# Altium PCB Fleet-Monitor_V1.0.PcbDoc (part 1 of 3) (continued)
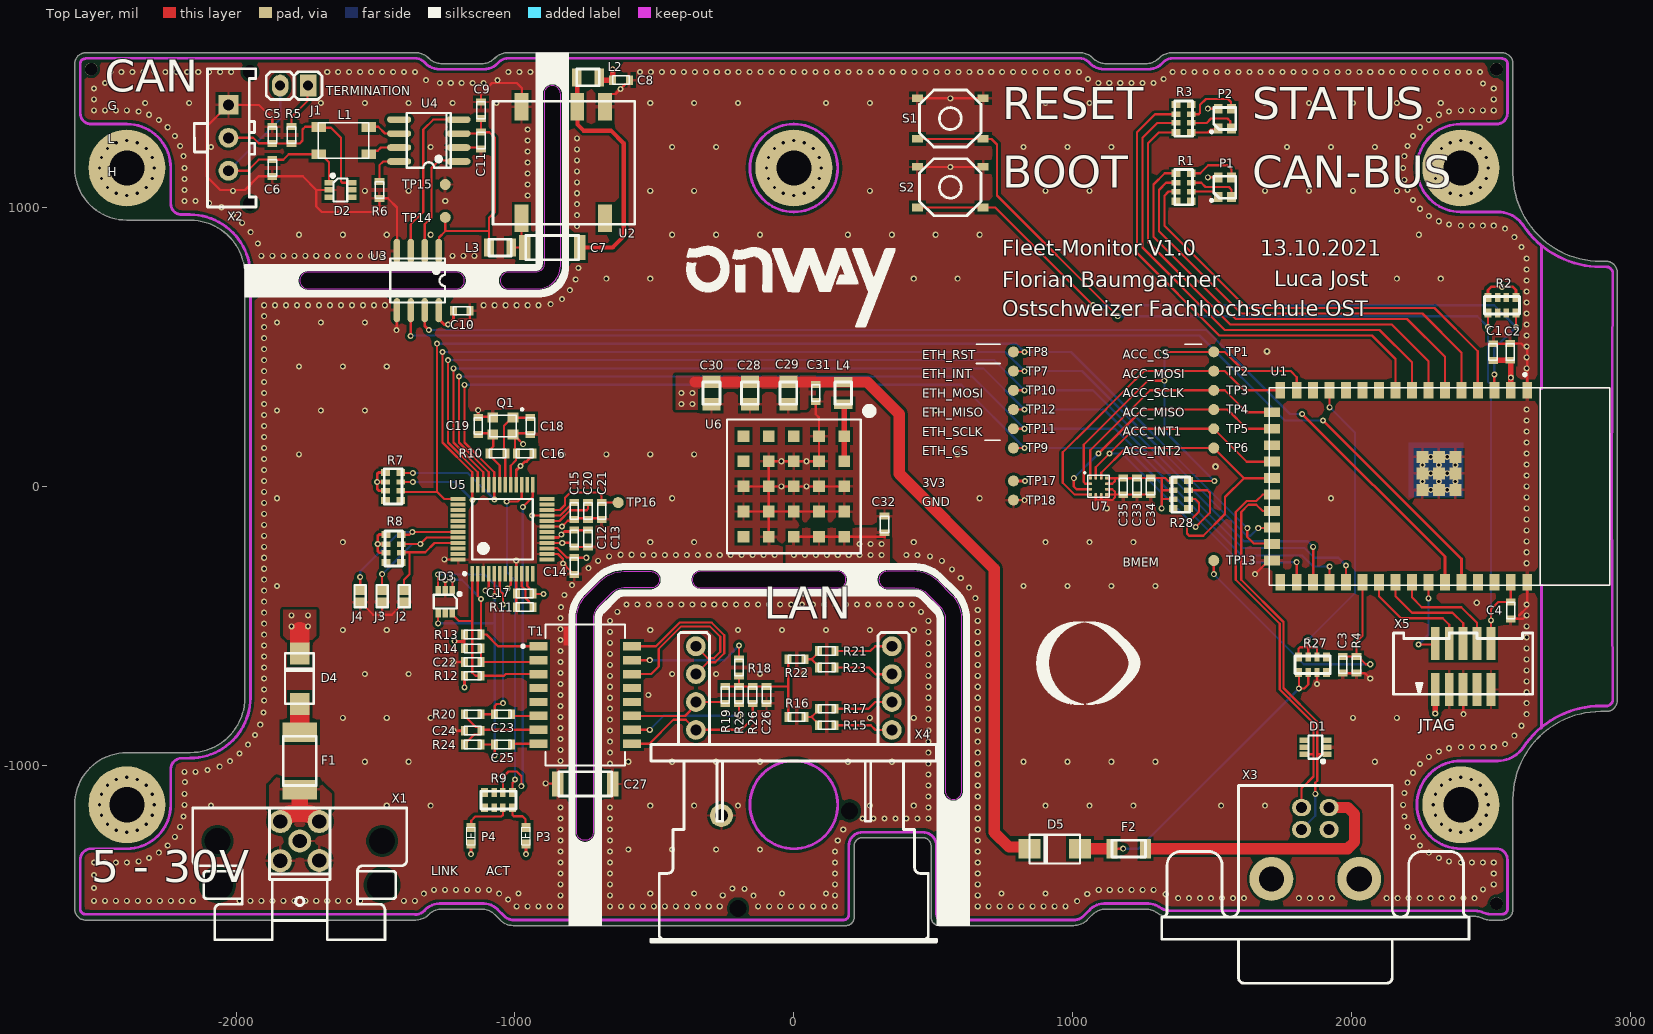
[diagram p0: Top Layer view]
## Components (designator, comment, footprint, x,y, rotation, side; value= is the part's Value field where it differs from the comment)
C1 "10µF" "SMD Keramikkondensator 0603" 2507.67,481.46 r270 top
C2 "100nF" "SMD Keramikkondensator 0603" 2568.9,482.28 r270 top
C3 "1µF" "SMD Keramikkondensator 0603" 1968.5,-639.76 r90 top
C4 "100nF" "SMD Keramikkondensator 0603" 2570.87,-444.88 r90 top
C5 "22pF" "SMD Keramikkondensator 0603" -1870.08,1259.84 r270 top
C6 "22pF" "SMD Keramikkondensator 0603" -1870.08,1141.73 r90 top
C7 "470pF" "SMD KERAMIKKONDENSATOR 1808" -866.14,856.3 r180 top
C8 "22µF" "SMD Keramikkondensator 0603" -620.08,1456.69 r180 top
C9 "22µF" "SMD Keramikkondensator 0603" -1122.05,1348.43 r270 top
C10 "100nF" "SMD Keramikkondensator 0603" -1190.94,629.92 r180 top
C11 "100nF" "SMD Keramikkondensator 0603" -1122.05,1240.16 r90 top
C12 "100nF" "SMD Keramikkondensator 0603" -787.4,-187.01 r90 top
C13 "100nF" "SMD Keramikkondensator 0603" -738.19,-187.01 r90 top
C14 "100nF" "SMD Keramikkondensator 0603" -787.4,-285.43 r90 top
C15 "100nF" "SMD Keramikkondensator 0603" -787.4,-88.58 r90 top
C16 "100nF" "SMD Keramikkondensator 0603" -964.57,118.11 r0 top
C17 "100nF" "SMD Keramikkondensator 0603" -964.57,-383.86 r0 top
C18 "22pF" "SMD Keramikkondensator 0603" -944.88,216.54 r270 top
C19 "22pF" "SMD Keramikkondensator 0603" -1131.89,216.54 r90 top
C20 "4.7µF" "SMD Keramikkondensator 0603" -738.19,-88.58 r90 top
C21 "10nF" "SMD Keramikkondensator 0603" -688.98,-88.58 r90 top
C22 "22nF" "SMD Keramikkondensator 0603" -1151.57,-629.92 r180 top
C23 "10nF" "SMD Keramikkondensator 0603" -1043.31,-816.93 r0 top
C24 "10nF" "SMD Keramikkondensator 0603" -1151.57,-875.98 r180 top
C25 "10nF" "SMD Keramikkondensator 0603" -1043.31,-925.2 r0 top
C26 "4.7nF" "SMD Keramikkondensator 0603" -98.43,-748.03 r90 top
C27 "1nF" "SMD KERAMIKKONDENSATOR 1808" -748.03,-1066.93 r0 top
C28 "10µF" "SMD Keramikkondensator 0805" -157.48,334.65 r90 top
C29 "10µF" "SMD Keramikkondensator 0805" -19.68,334.65 r90 top
C30 "10µF" "SMD Keramikkondensator 0805" -295.28,334.65 r90 top
C31 "100nF" "SMD Keramikkondensator 0603" 78.74,334.65 r90 top
C32 "10µF" "SMD Keramikkondensator 0603" 324.8,-136.22 r270 top
C33 "10µF" "SMD Keramikkondensator 0603" 1230.32,0 r90 top
C34 "100nF" "SMD Keramikkondensator 0603" 1279.53,0 r90 top
C35 "100nF" "SMD Keramikkondensator 0603" 1181.1,0 r90 top
D1 "PD4E1U06" "SMD IC SOT-363 (SC-70-6)" 1870.08,-935.04 r0 top
D2 "PD4E1U06" "SMD IC SOT-363 (SC-70-6)" -1625.98,1062.99 r180 top
D3 "PD4E1U06" "SMD IC SOT-363 (SC-70-6)" -1250,-413.39 r90 top
D4 "SS54" "SMD DIODE DO-214-AC" -1771.65,-688.98 r270 top
D5 "SS54" "SMD DIODE DO-214-AC" 935.04,-1299.21 r0 top
F1 "60V/300mA/600mA" "SMD PPTC-FUSE 1812" -1771.65,-984.25 r90 top
F2 "15V/500mA/1000mA" "SMD PPTC-Fuse 1206" 1200.79,-1299.21 r180 top
J1 "X-Jumper (2 Fach)" "THT  Jumper" -1842.13,1437.01 r180 top
J2 "X-Jumper (2 Fach)" "SMD Solder Jumper 1x2mm" -1397.64,-393.7 r90 top
J3 "X-Jumper (2 Fach)" "SMD Solder Jumper 1x2mm" -1476.38,-393.7 r90 top
J4 "X-Jumper (2 Fach)" "SMD Solder Jumper 1x2mm" -1555.12,-393.7 r90 top
L1 "ACT45B-510-2P-TL003" "SMD Common Mode Choke 4.5x3.2" -1614.17,1240.16 r180 top
L2 "4.7uH" "SMD INDUCTOR/FERRITE 0805" -738.19,1466.54 r180 top
L3 "4.7uH" "SMD INDUCTOR/FERRITE 0805" -1053.15,856.3 r180 top
L4 "2.2uH" "SMD INDUCTOR/FERRITE 0805" 177.17,334.65 r270 top
P1 "RGB LED" "SMD LED PLCC-4" 1545.28,1072.83 r90 top
P2 "RGB LED" "SMD LED PLCC-4" 1545.28,1318.9 r90 top
P3 "Yellow" "SMD LED 0603" -960.63,-1252.95 r90 top
P4 "Green" "SMD LED 0603" -1157.48,-1252.95 r90 top
Q1 "25MHz" "SMD Crystal 2520" -1043.31,216.54 r180 top
R1 "330" "SMD WIDERSTAND ARRAY 4-FACH 0603" 1397.64,1072.83 r270 top
R2 "10k" "SMD WIDERSTAND ARRAY 4-FACH 0603" 2539.37,649.61 r180 top
R3 "330" "SMD WIDERSTAND ARRAY 4-FACH 0603" 1397.64,1318.9 r270 top
R4 "1M" "SMD Widerstand 0603" 2017.72,-639.76 r270 top
R5 "120" "SMD Widerstand 0603" -1801.18,1259.84 r270 top
R6 "4.7k" "SMD Widerstand 0603" -1486.22,1062.99 r270 top
R7 "10k" "SMD WIDERSTAND ARRAY 4-FACH 0603" -1437.01,0 r270 top
R8 "10k" "SMD WIDERSTAND ARRAY 4-FACH 0603" -1435.04,-222.44 r270 top
R9 "330" "SMD WIDERSTAND ARRAY 4-FACH 0603" -1059.06,-1125 r180 top
R10 "1M" "SMD Widerstand 0603" -1062.99,118.11 r180 top
R11 "12.4k" "SMD Widerstand 0603" -964.57,-433.07 r0 top
R12 "49.9" "SMD Widerstand 0603" -1151.57,-679.13 r180 top
R13 "49.9" "SMD Widerstand 0603" -1151.57,-531.5 r180 top
R14 "10" "SMD Widerstand 0603" -1151.57,-580.71 r180 top
R15 "49.9" "SMD Widerstand 0603" 118.11,-856.3 r180 top
R16 "49.9" "SMD Widerstand 0603" 9.84,-826.77 r180 top
R17 "49.9" "SMD Widerstand 0603" 118.11,-797.24 r180 top
R18 "75" "SMD Widerstand 0603" -196.85,-649.61 r90 top
R19 "150" "SMD Widerstand 0603" -246.06,-748.03 r270 top
R20 "82" "SMD Widerstand 0603" -1151.57,-816.93 r0 top
R21 "49.9" "SMD Widerstand 0603" 118.11,-590.55 r180 top
R22 "49.9" "SMD Widerstand 0603" 9.84,-620.08 r180 top
R23 "49.9" "SMD Widerstand 0603" 118.11,-649.61 r180 top
R24 "82" "SMD Widerstand 0603" -1151.57,-925.2 r180 top
R25 "75" "SMD Widerstand 0603" -196.85,-748.03 r90 top
R26 "150" "SMD Widerstand 0603" -147.64,-748.03 r90 top
R27 "10k" "SMD WIDERSTAND ARRAY 4-FACH 0603" 1860.24,-639.76 r0 top
R28 "10k" "SMD WIDERSTAND ARRAY 4-FACH 0603" 1387.8,-29.53 r270 top
S1 "SMD-Button" "SMD BUTTON 5.2X5.2" 561.02,1318.9 r180 top
S2 "SMD-Button" "SMD BUTTON 5.2X5.2" 561.02,1072.83 r180 top
T1 "HR601680" "SMD TRANSFORMER 500X375" -748.03,-748.03 r270 top
TP1 "X-TP" "SMD Testpunkt Ø1mm" 1505.91,482.28 r90 top
TP2 "X-TP" "SMD Testpunkt Ø1mm" 1505.9,413.39 r90 top
TP3 "X-TP" "SMD Testpunkt Ø1mm" 1505.91,344.49 r90 top
TP4 "X-TP" "SMD Testpunkt Ø1mm" 1505.91,275.59 r90 top
TP5 "X-TP" "SMD Testpunkt Ø1mm" 1505.91,206.69 r90 top
TP6 "X-TP" "SMD Testpunkt Ø1mm" 1505.91,137.8 r90 top
TP7 "X-TP" "SMD Testpunkt Ø1mm" 787.4,413.39 r90 top
TP8 "X-TP" "SMD Testpunkt Ø1mm" 787.4,482.28 r90 top
TP9 "X-TP" "SMD Testpunkt Ø1mm" 787.4,137.8 r90 top
TP10 "X-TP" "SMD Testpunkt Ø1mm" 787.4,344.49 r90 top
TP11 "X-TP" "SMD Testpunkt Ø1mm" 787.4,206.69 r90 top
TP12 "X-TP" "SMD Testpunkt Ø1mm" 787.4,275.59 r180 top
TP13 "X-TP" "SMD Testpunkt Ø1mm" 1505.91,-265.75 r0 top
TP14 "X-TP" "SMD Testpunkt Ø1mm" -1250,964.57 r90 top
TP15 "X-TP" "SMD Testpunkt Ø1mm" -1250,1082.68 r90 top
TP16 "X-TP" "SMD Testpunkt Ø1mm" -630,-58 r0 top
TP17 "X-TP" "SMD Testpunkt Ø1mm" 787.4,19.68 r90 top
TP18 "X-TP" "SMD Testpunkt Ø1mm" 787.4,-49.21 r90 top
U1 "ESP32-S2-WROOM" "SMD ESP32-S2-WROOM" 2314.96,0 r180 top locked
U2 "R1SX-3.305/H-R" "SMD DCDC R1SX" -826.77,1161.42 r180 top
U3 "ISO7221BDR" "SMD IC SOIC-8" -1348.43,738.19 r180 top
U4 "MCP2551T-I/SN" "SMD IC SOIC-8" -1309.06,1240.16 r90 top
U5 "W5500" "SMD IC LQFP-48" -1044.69,-153.46 r0 top
U6 "RPMB3.3-2.0" "SMD DCDC RPM 2.0" 0,0 r270 top
U7 "LIS2DH12TR" "SMD IC LGA-12" 1092.52,0 r0 top
X1 "T4145015021-001" "THT CONNECTOR M12" -1771.65,-1271.65 r180 top locked
X2 "Pin Header Through Hole Wire To Board" "THT Connector 0436500315" -2027.56,1250 r90 top
X3 "Type-B" "THT CONNECTOR MUSBD111M5" 1870.08,-1535.43 r180 top locked
X4 "NE8FDH-C5E-TOP" "THT CONNECTOR NE8FDH-C5E-TOP" 0,-1633.86 r180 top locked
X5 "JTAG-Header (ARM-Cortex)" "SMD Connector 1.27mm (2x5)" 2400,-645.67 r0 top

## Footprints (in the part's own frame and the unit in brackets; to place one, negate y for a bottom-side part, rotate by r counter-clockwise, add the part's x,y. Pads: shape width x height; smd on the part's side, far side on the other; paste and mask are expansions set on the pad)
"SMD BUTTON 5.2X5.2" [mm]
  rect 1x0.7 smd: 1(-3,1.85) 1(3,1.85) 2(-3,-1.85) 2(3,-1.85)
  silkscreen extent -2.8,-2.6 2.8,2.6, body extent -3.2,-2.55 3.2,2.55, height 1.5
"SMD Common Mode Choke 4.5x3.2" [mm]
  rect 1.35x0.9 smd: 1(-2.275,-1.25) 2(2.275,-1.25) 3(2.275,1.25) 4(-2.275,1.25)
  silkscreen extent -2.3,-1.6 2.3,1.6, body extent -2.25,-1.6 2.25,1.6, height 3
"SMD Connector 1.27mm (2x5)" [mm]
  rect 0.8x3 smd mask+0.051: 1(-2.54,-2.1) 2(-2.54,2.1) 3(-1.27,-2.1) 4(-1.27,2.1) 5(0,-2.1) 6(0,2.1) 7(1.27,-2.1) 8(1.27,2.1) 9(2.54,-2.1) 10(2.54,2.1)
  silkscreen extent -6.35,-2.54 6.35,3.05, body extent -6.35,-3.05 6.35,3.05, height 5.45
"SMD Crystal 2520" [mm]
  rect 1x0.9 smd: 1(-0.925,-0.787) 2(0.925,0.788) 3(-0.925,0.788) 3(0.925,-0.787)
  silkscreen extent -1.85,-1.61 1.2,1, body extent -1.25,-1 1.25,1, height 0.7
"SMD DCDC R1SX" [mil]
  rect 50x100 smd: 1(-150,-200) 2(-50,-200) 4(150,-200) 5(150,200) 8(-150,200)
  silkscreen extent -256,-220 252,221, body extent -253,-220 253,220, height 232
"SMD DCDC RPM 2.0" [mm]
  rect 1.06x1.06 smd: A1(-4.58,4.58) A2(-2.29,4.58) A3(0,4.58) A4(2.29,4.58) A5(4.58,4.58) B1(-4.58,2.29) B2(-2.29,2.29) B3(0,2.29) B4(2.29,2.29) B5(4.58,2.29) C1(-4.58,0) C2(-2.29,0) C3(0,0) C4(2.29,0) C5(4.58,0) D1(-4.58,-2.29) D2(-2.29,-2.29) D3(0,-2.29) D4(2.29,-2.29) D5(4.58,-2.29) E1(-4.58,-4.58) E2(-2.29,-4.58) E3(0,-4.58) E4(2.29,-4.58) E5(4.58,-4.58)
  silkscreen extent -7.12,-6.09 6.1,7.12, body extent -6.34,-6.19 6.35,6.19, height 3.95
"SMD DIODE DO-214-AC" [mm] "SM LED; 2 Flat Leads"
  rect 2x1.8 smd: A(2.3,0) K(-2.3,0)
  silkscreen extent -2.3,-1.36 2.3,1.27, body extent -2.8,-1.47 2.8,1.48, height 2.7
"SMD ESP32-S2-WROOM" [mm]
  rect 0.9x1.5 smd: 1(-8,-8.75) 2(-6.5,-8.75) 3(-5,-8.75) 4(-3.5,-8.75) 5(-2,-8.75) 6(-0.5,-8.75) 7(1,-8.75) 8(2.5,-8.75) 9(4,-8.75) 10(5.5,-8.75) 11(7,-8.75) 12(8.5,-8.75) 13(10,-8.75) 14(11.5,-8.75) 15(13,-8.75) 16(14.5,-8.75) 27(14.5,8.75) 28(13,8.75) 29(11.5,8.75) 30(10,8.75) 31(8.5,8.75) 32(7,8.75) 33(5.5,8.75) 34(4,8.75) 35(2.5,8.75) 36(1,8.75) 37(-0.5,8.75) 38(-2,8.75) 39(-3.5,8.75) 40(-5,8.75) 41(-6.5,8.75) 42(-8,8.75)
  rect 1.5x0.9 smd: 17(15.25,-6.75) 18(15.25,-5.25) 19(15.25,-3.75) 20(15.25,-2.25) 21(15.25,-0.75) 22(15.25,0.75) 23(15.25,2.25) 24(15.25,3.75) 25(15.25,5.25) 26(15.25,6.75)
  round 0.55 hole 0.3 mask+0.102: 43(-1.45,-0.44) 43(-1.45,-1.94) 43(-0.7,0.31) 43(-0.7,-1.19) 43(-0.7,-2.69) 43(0.05,-0.44) 43(0.05,-1.94) 43(0.8,0.31) 43(0.8,-1.19) 43(0.8,-2.69) 43(1.55,-0.44) 43(1.55,-1.94)
  rect 1.1x1.1 smd: 43(-1.45,0.31) 43(-1.45,-1.19) 43(-1.45,-2.69) 43(0.05,0.31) 43(0.05,-1.19) 43(0.05,-2.69) 43(1.55,0.31) 43(1.55,-1.19) 43(1.55,-2.69)
  Keep-Out Layer region: -9.2,9 -9.2,-9 -15.5,-9 -15.5,9
  Keep-Out Layer region: -9.2,9 -9.2,-9 -15.5,-9 -15.5,9
  Keep-Out Layer region: -9.2,9 -9.2,-9 -15.5,-9 -15.5,9
  silkscreen extent -15.5,-10.28 15.5,9, body extent -15.45,-9 15.55,9, height 3.3
"SMD IC LGA-12" [mm]
  rect 0.275x0.275 smd: 1(-0.75,0.75) 4(-0.75,-0.75) 7(0.75,-0.75) 10(0.75,0.75)
  rect 0.275x0.25 smd: 2(-0.75,0.25) 3(-0.75,-0.25) 8(0.75,-0.25) 9(0.75,0.25)
  rect 0.25x0.275 smd: 5(-0.25,-0.75) 6(0.25,-0.75) 11(0.25,0.75) 12(-0.25,0.75)
  silkscreen extent -1.27,-1 1,1.27, body extent -1,-1 1,1, height 0.95
"SMD IC LQFP-48" [mm]
  rect 0.35x1.4 smd: 1(-2.75,-4.05) 2(-2.25,-4.05) 3(-1.75,-4.05) 4(-1.25,-4.05) 5(-0.75,-4.05) 6(-0.25,-4.05) 7(0.25,-4.05) 8(0.75,-4.05) 9(1.25,-4.05) 10(1.75,-4.05) 11(2.25,-4.05) 12(2.75,-4.05) 25(2.75,4.05) 26(2.25,4.05) 27(1.75,4.05) 28(1.25,4.05) 29(0.75,4.05) 30(0.25,4.05) 31(-0.25,4.05) 32(-0.75,4.05) 33(-1.25,4.05) 34(-1.75,4.05) 35(-2.25,4.05) 36(-2.75,4.05)
  rect 1.4x0.35 smd: 13(4.05,-2.75) 14(4.05,-2.25) 15(4.05,-1.75) 16(4.05,-1.25) 17(4.05,-0.75) 18(4.05,-0.25) 19(4.05,0.25) 20(4.05,0.75) 21(4.05,1.25) 22(4.05,1.75) 23(4.05,2.25) 24(4.05,2.75) 37(-4.05,2.75) 38(-4.05,2.25) 39(-4.05,1.75) 40(-4.05,1.25) 41(-4.05,0.75) 42(-4.05,0.25) 43(-4.05,-0.25) 44(-4.05,-0.75) 45(-4.05,-1.25) 46(-4.05,-1.75) 47(-4.05,-2.25) 48(-4.05,-2.75)
  silkscreen extent -3.57,-4.17 2.75,2.75, body extent -4.5,-4.5 4.5,4.5, height 1.6
"SMD IC SOIC-8" [mm]
  oval 0.6x2.2 smd: 1(-1.905,-2.7) 2(-0.635,-2.7) 3(0.635,-2.7) 4(1.905,-2.7) 5(1.905,2.7) 6(0.635,2.7) 7(-0.635,2.7) 8(-1.905,2.7)
  silkscreen extent -2.48,-2 2.52,2, body extent -2.48,-3.12 2.52,3.12, height 1.75
"SMD IC SOT-363 (SC-70-6)" [mm]
  rect 0.8x0.5 smd: 1(1.05,-0.65) 2(1.05,0) 3(1.05,0.65) 4(-1.05,0.65) 5(-1.05,0) 6(-1.05,-0.65)
  silkscreen extent -0.63,-1.4 0.8,1.05, body extent -1.05,-1 1.05,1, height 0.92
"SMD INDUCTOR/FERRITE 0805" [mil]
  rect 35x65 smd: 1(-40,0) 2(40,0)
  silkscreen extent -40,-30 40,30, body extent -39,-24 39,24, height 37
"SMD Keramikkondensator 0603" [mil]
  rect 25x35 smd: 1(-30,0) 2(30,0)
  silkscreen extent -30,-15 30,15, body extent -31,-16 32,16, height 32
"SMD Keramikkondensator 0805" [mil]
  rect 45x65 smd: 1(-40,0) 2(40,0)
  silkscreen extent -40,-30 40,30, body extent -39,-25 39,25, height 31
"SMD KERAMIKKONDENSATOR 1808" [mm]
  rect 1.05x2.3 smd: 1(-2.5,0) 2(2.5,0)
  silkscreen extent -2.41,-1.1 2.41,1.1, body extent -2.25,-1 2.25,1, height 1.26
"SMD LED 0603" [mm] "SMD_LED_RED"
  rect 0.8x0.8 smd: A(-0.75,0) K(0.75,0)
  silkscreen extent -0.8,-0.4 0.8,0.4, body extent -0.81,-0.37 0.84,0.36, height 0.68
"SMD LED PLCC-4" [mm] "SMD_LED_RED"
  rect 0.9x0.8 smd: 1(-0.9,0.6) 2(-0.9,-0.6) 3(0.9,-0.6) 4(0.9,0.6)
  silkscreen extent -1.3,-1 1,1.3, body extent -1,-1 1,1, height 0.91
"SMD PPTC-Fuse 1206" [mil]
  rect 40x70 smd: 1(-60,0) 2(60,0)
  silkscreen extent -60,-30 60,30, body extent -63,-33 63,33, height 22
"SMD PPTC-FUSE 1812" [mm]
  rect 1.78x3.15 smd: 1(-2.615,0) 2(2.615,0)
  silkscreen extent -2.25,-1.5 2.25,1.5, body extent -2.25,-1.6 2.25,1.6, height 0.55
"SMD Solder Jumper 1x2mm" [mm] "SOT-223/SC-73; 4 Leads; Body 6.7 x 7.3 mm, inc. leads (LxW max)"
  rect 0.9x0.9 smd: 1(-0.559,0) 2(0.559,0)
  silkscreen extent -1.02,-0.51 1.02,0.51
"SMD Testpunkt Ø1mm" [mm]
  round 1 smd: 1(0,0)
"SMD TRANSFORMER 500X375" [mm]
  rect 0.76x1.65 smd: 1(-4.445,-4.255) 2(-3.175,-4.255) 3(-1.905,-4.255) 4(-0.635,-4.255) 5(0.635,-4.255) 6(1.905,-4.255) 7(3.175,-4.255) 8(4.445,-4.255) 9(4.445,4.255) 10(3.175,4.255) 11(1.905,4.255) 12(0.635,4.255) 13(-0.635,4.255) 14(-1.905,4.255) 15(-3.175,4.255) 16(-4.445,4.255)
  silkscreen extent -6.41,-5.79 6.42,3.62, body extent -6.52,-5.18 6.52,5.18, height 0.25
"SMD Widerstand 0603" [mil]
  rect 25x35 smd: 1(-30,0) 2(30,0)
  silkscreen extent -30,-15 30,15, body extent -31,-16 31,16, height 18
"SMD WIDERSTAND ARRAY 4-FACH 0603" [mm]
  rect 0.65x0.8 smd: 1(-1.275,-0.7) 4(1.275,-0.7) 5(1.275,0.7) 8(-1.275,0.7)
  rect 0.5x0.8 smd: 2(-0.4,-0.7) 3(0.4,-0.7) 6(0.4,0.7) 7(-0.4,0.7)
  silkscreen extent -1.6,-0.8 1.6,0.8, body extent -1.6,-0.8 1.6,0.8, height 0.51
"THT  Jumper" [mm]
  rect 1.5x2 hole 0.9: 1(-2.54,0)
  oval 1.5x2 hole 0.9: 2(0,0)
  silkscreen extent -3.81,-1.27 1.27,1.27, body extent -3.81,-1.27 1.27,1.27, height 8.72
"THT Connector 0436500315" [mm]
  rect 1.8x1.8 hole 1: 1(3,0)
  round 1.8 hole 1: 2(0,0) 3(-3,0)
  round 0 hole 1.27 unplated: NC(-6,-1.96) NC(6,-1.96)
  silkscreen extent -6.3,-2.5 6.29,3.11, body extent -6.32,-2.47 6.33,3.14, height 9.95
"THT CONNECTOR M12" [mm]
  round 2.1 hole 1.3: 1(1.77,-1.77) 2(-1.77,-1.77) 3(-1.765,1.779) 4(1.775,1.794) 5(0,0)
  round 0 hole 2.35 unplated: NC(-7.5,0) NC(7.5,0)
  round 0 hole 2.8 unplated: NC(-7.5,4) NC(7.5,4)
  silkscreen extent -9.75,-3 9.75,9, body extent -9.75,-3 9.75,23, height 16
"THT CONNECTOR MUSBD111M5" [mm]
  oval 1.75x1.55 hole 1: 1(-1.25,-9.74) 2(1.25,-9.74) 3(1.25,-7.74) 4(-1.25,-7.74)
  round 4 hole 2.3: NC(-4,-3.25) NC(4,-3.25)
  silkscreen extent -14,-11.75 14,6.25, body extent -18,-11.75 14,8.5, height 15.51
"THT CONNECTOR NE8FDH-C5E-TOP" [mm]
  round 1.8 hole 1: 1(8.925,-24.4) 2(8.925,-26.94) 3(8.925,-21.86) 4(-8.925,-19.32) 5(-8.925,-21.86) 6(8.925,-19.32) 7(-8.925,-26.94) 8(-8.925,-24.4)
  round 2.1 hole 1.2: 9(6.595,-11.52)
  round 0 hole 1.55 unplated: NC(-5.08,-11.955) NC(5.08,-3.06)
  silkscreen extent -13,-28.19 13,0, body extent -13,-28.21 13,12.5, height 30.1

## Part data
C1 C32 C33: library part "E6 - 10uF", "SMD Ceramic Capacitor E6", Component Value="10µF 10V", JLC-Parts=C19702, Component Description="Multilayer Ceramic Capacitors MLCC", ComponentLink1Description=Datasheet, ComponentLink1URL=https://datasheet.lcsc.com/lcsc/1810191219_Samsung-Electro-Mechanics-CL10A106KP8NNNC_C19702.pdf, Digikey=587-3258-1-ND, Farnell=2113070, Mouser=963-LMK107BBJ106MALT, Unit Price=0.01
C2 C4 C10 C11 C12 C13 C14 C15 C16 C17 C31 C34 C35: library part "E6 - 100nF", "SMD Ceramic Capacitor E6", Component Value="100nF 50V", JLC-Parts=C14663, Component Description="Multilayer Ceramic Capacitors MLCC", ComponentLink1Description=Datasheet, ComponentLink1URL=https://datasheet.lcsc.com/lcsc/1809301912_YAGEO-CC0603KRX7R9BB104_C14663.pdf, Digikey=445-6899-1-ND, Farnell=2210822, Mouser=810-CGA2B3X7R1H104K, Unit Price=0.01
C3: library part "E6 - 1uF", "SMD Ceramic Capacitor E6", Component Value="1µF 50V", JLC-Parts=C15849, Component Description="Multilayer Ceramic Capacitors MLCC", ComponentLink1Description=Datasheet, ComponentLink1URL=https://datasheet.lcsc.com/lcsc/1810261812_Samsung-Electro-Mechanics-CL10A105KB8NNNC_C15849.pdf, Digikey=1276-1860-1-ND, Farnell=3013383, Mouser=187-CL10A105KB8NNNC, Unit Price=0.01
C5 C6 C18 C19: library part "E6 - 22pF", "SMD Ceramic Capacitor E6", Component Value="22pF 50V", JLC-Parts=C1653, Component Description="Multilayer Ceramic Capacitors MLCC", ComponentLink1Description=Datasheet, ComponentLink1URL=https://datasheet.lcsc.com/lcsc/1810121815_Samsung-Electro-Mechanics-CL10C220JB8NNNC_C1653.pdf, Digikey=1276-1023-1-ND, Farnell=2332643, Mouser=187-CL10C220JB8NNNC, Unit Price=0.01
C7: library part "E6 - 470pF", "SMD Ceramic Capacitor E6", Component Value="470pF 3kV", JLC-Parts=C106130, Component Description="Multilayer Ceramic Capacitors MLCC", ComponentLink1Description=Datasheet, ComponentLink1URL=https://datasheet.lcsc.com/lcsc/1810201242_IHHEC-HOLY-STONE-ENTERPRISE-CO.,-LTD-C1808X471K302T_C106130.pdf, Digikey=732-12100-1-ND, Farnell=2812607, Mouser=710-885342210003, Unit Price=0.11
C8 C9: library part "E6 - 22uF", "SMD Ceramic Capacitor E6", Component Value="22µF 25V", JLC-Parts=C45783, Component Description="Multilayer Ceramic Capacitors MLCC", ComponentLink1Description=Datasheet, ComponentLink1URL=https://datasheet.lcsc.com/lcsc/1811151152_Samsung-Electro-Mechanics-CL21A226MAQNNNE_C45783.pdf, Digikey=1276-2908-1-ND, Farnell=3013459, Mouser=187-CL21A226MAQNNNE, Unit Price=0.04
C20: library part "E6 - 4.7uF", "SMD Ceramic Capacitor E6", Component Value="4.7µF 16V", JLC-Parts=C19666, Component Description="Multilayer Ceramic Capacitors MLCC", ComponentLink1Description=Datasheet, ComponentLink1URL=https://datasheet.lcsc.com/lcsc/1810261514_Samsung-Electro-Mechanics-CL10A475KO8NNNC_C19666.pdf, Digikey=1276-1784-1-ND, Farnell=3013397, Mouser=187-CL10A475KO8NNNC, Unit Price=0.01
C21 C23 C24 C25: library part "E6 - 10nF", "SMD Ceramic Capacitor E6", Component Value="10nF 50V", JLC-Parts=C57112, Component Description="Multilayer Ceramic Capacitors MLCC", ComponentLink1Description=Datasheet, ComponentLink1URL=https://datasheet.lcsc.com/lcsc/2102081402_FH-Guangdong-Fenghua-Advanced-Tech-0603B103K500NT_C57112.pdf, Digikey=478-3700-1-ND, Farnell=1833876, Mouser=581-06031C103J, Unit Price=0.01
C22: library part "E6 - 22nF", "SMD Ceramic Capacitor E6", Component Value="22nF 50V", JLC-Parts=C21122, Component Description="Multilayer Ceramic Capacitors MLCC", ComponentLink1Description=Datasheet, ComponentLink1URL=https://datasheet.lcsc.com/lcsc/1811101610_Samsung-Electro-Mechanics-CL10B223KB8NNNC_C21122.pdf, Digikey=1276-1104-1-ND, Farnell=3013425, Mouser=187-CL10B223KB8NNNC, Unit Price=0.01
C26: library part "E6 - 4.7nF", "SMD Ceramic Capacitor E6", Component Value="4.7nF 50V", JLC-Parts=C53987, Component Description="Multilayer Ceramic Capacitors MLCC", ComponentLink1Description=Datasheet, ComponentLink1URL=https://datasheet.lcsc.com/lcsc/1811061811_FH-Guangdong-Fenghua-Advanced-Tech-0603B472K500NT_C53987.pdf, Digikey=478-10355-1-ND, Farnell=2332650, Mouser=581-06035C472JAT2A, Unit Price=0.01
C27: library part "E6 - 1nF", "SMD Ceramic Capacitor E6", Component Value="1nF 3kV", JLC-Parts=C173224, Component Description="Multilayer Ceramic Capacitors MLCC", ComponentLink1Description=Datasheet, ComponentLink1URL=https://datasheet.lcsc.com/lcsc/1912111437_Johanson-Dielectrics-302R29W102KV4E_C173224.pdf, Digikey=709-1047-1-ND, Farnell=1886070, Mouser=605-302R29W102KV4E, Unit Price=0.06
C28 C29 C30: library part "E6 - 10uF", "SMD Ceramic Capacitor E6", Component Value="10µF 50V", JLC-Parts=C440198, Component Description="Multilayer Ceramic Capacitors MLCC", ComponentLink1Description=Datasheet, ComponentLink1URL=https://datasheet.lcsc.com/lcsc/2004251506_Murata-Electronics-GRM21BR61H106KE43L_C440198.pdf, Digikey=490-18663-1-ND, Farnell=3790440, Mouser=81-GRM21BR61H106KE3L, Unit Price=0.13
D1 D2 D3: library part PD4E1U06DCKR, "Unidirectional 3A (8/20us) 15V (Typ) 6.5V 5.5V (Max) SOT-363 ESD Protection Devices ROHS", JLC-Parts=C194628, Component Description="ESD Suppressor", Component Value=PD4E1U06, ComponentLink1Description=Datasheet, ComponentLink1URL=https://datasheet.lcsc.com/lcsc/1810172210_Texas-Instruments-TPD4E1U06DCKR_C194628.pdf, Digikey=296-39347-1-ND, Farnell=3116516, Mouser=595-TPD4E1U06DCKR, Unit Price=0.12
D4 D5: "40V 5A 550mV @ 5A SMA(DO-214AC) Schottky Barrier Diodes (SBD) ROHS", JLC-Parts=C22452, Component Description="Schottky Barrier Diode", Component Value=SS54, ComponentLink1Description=Datasheet, ComponentLink1URL=https://datasheet.lcsc.com/lcsc/1810192041_MDD%EF%BC%88Microdiode-Electronics%EF%BC%89-SS54_C22452.pdf, Digikey=641-SS54-HFCT-ND, Farnell=1861427, Mouser=750-SS54-HF, Unit Price=0.10
F1: library part JK-nSMD010, "60V 250mA 1s 1206 Resettable Fuses", Component Value=60V/300mA/600mA/100ms, JLC-Parts=C117855, Component Description="PTC Resettable Fuse", ComponentLink1Description=Datasheet, ComponentLink1URL=https://datasheet.lcsc.com/lcsc/1809211319_RUILON-Shenzhen-Ruilongyuan-Elec-SMD1812P030TF-60V_C117855.pdf, Digikey=F8131CT-ND, Farnell=1961501, Mouser=576-1812L035/60MR, Unit Price=0.07
F2: library part nSMD020-30V, "30V 460mA 1206 Resettable Fuses", Component Value=15V/500mA/1000mA/100ms, JLC-Parts=C315893, Component Description="PTC Resettable Fuse", ComponentLink1Description=Datasheet, ComponentLink1URL=https://datasheet.lcsc.com/lcsc/1912111437_Littelfuse-1206L050-15YR-A_C315893.pdf, Digikey=F3733CT-ND, Farnell=2752736, Mouser=576-1206L050/15YR, Unit Price=0.23
J1: Component Value=2-Pol, JLC-Parts=C358684, Component Description="Through Hole Jumper", ComponentLink1Description=Datasheet, ComponentLink1URL=https://datasheet.lcsc.com/lcsc/1912111437_PINREX-210-91-02GB01_C390678.pdf, Digikey=WM50016-02-ND, Farnell=2668454, Mouser=538-22-28-4023, Unit Price=0.01
J2 J3 J4: Component Value=2-Pol, Component Description="Solder Jumper", Unit Price=0.00
L1: "51uH @ 100kHz 2.8kΩ @ 10MHz 50V 1Ω Signal Line 4532 Common Mode Filters ROHS", Component Value=ACT45B-101-2P-TL003, JLC-Parts=C88056, Component Description="Common Mode Filter", ComponentLink1Description=Datasheet, ComponentLink1URL=https://datasheet.lcsc.com/lcsc/1811151538_TDK-ACT45B-101-2P-TL003_C88056.pdf, Digikey=445-3959-1-ND, Farnell=3407556, Mouser=810-ACT45B1012PTL003, Unit Price=0.56
L2 L3: library part MLP2012V4R7MT0S1, "0805 Inductor 4.7uH", JLC-Parts=C86094, Component Description="Power Inductor", Component Value=4.7uH, ComponentLink1Description=Datasheet, ComponentLink1URL=https://datasheet.lcsc.com/lcsc/1810241416_Murata-Electronics-LQM2MPN4R7MG0L_C86094.pdf, Digikey=490-12073-1-ND, Farnell=2840129, Mouser=81-LQM2MPN4R7MG0L, Unit Price=0.09
L4: library part TFM201610GHM-2R2MTAA, "Ferrite Bead 2.2uH 2.6A / 142mOhm", JLC-Parts=C136243, Component Description="Power Inductor", Component Value=2.2uH, ComponentLink1Description=Datasheet, ComponentLink1URL=https://datasheet.lcsc.com/lcsc/1810061613_TDK-TFM201610GHM-2R2MTAA_C136243.pdf, Digikey=445-173104-1-ND, Farnell=2470314, Mouser=810-TFM201610GHM2R2A, Unit Price=0.13
P1 P2: Component Value=67-23/R6GHBHC-B01/2T, JLC-Parts=C264607, Component Description="RGB LED", ComponentLink1Description=Datasheet, ComponentLink1URL=https://datasheet.lcsc.com/lcsc/2104061938_Everlight-Elec-67-23-R6GHBHC-B01-2T_C264607.pdf, Digikey=VAOS-SP4RGB4CT-ND, Mouser=593-VAOS-SP4RGB4, Unit Price=0.19
P3: library part "LED Yellow 0603", "General Purpose LED", Component Value="Yellow (5mA, 2.0V)", JLC-Parts=C72038, Component Description="General Purpose LED", ComponentLink1Description=Datasheet, ComponentLink1URL=https://datasheet.lcsc.com/szlcsc/Everlight-Elec-19-217-GHC-YR1S2-3T_C72043.pdf, Digikey=350-2032-1-ND, Farnell=1465989, Mouser=645-598-8040-107F, Unit Price=0.34
P4: library part "LED Green 0603", "General Purpose LED", Component Value="Green (5mA, 2.4V)", JLC-Parts=C72043, Component Description="General Purpose LED", ComponentLink1Description=Datasheet, ComponentLink1URL=https://datasheet.lcsc.com/szlcsc/Everlight-Elec-19-217-GHC-YR1S2-3T_C72043.pdf, Digikey=350-2035-1-ND, Farnell=1465991, Mouser=645-598-8070-107F, Unit Price=0.34
Q1: library part "Crystal 25MHz 7E25000E20UCG", "SMD Crystal Resonators 25MHz 10ppm -40℃~85℃", JLC-Parts=C252264, Component Description=Crystal, Component Value=25MHz, ComponentLink1Description=Datasheet, ComponentLink1URL=https://datasheet.lcsc.com/lcsc/1810170940_SJK-SHENZHEN-CRYSTAL-TECH-7E25000E20UCG_C252264.pdf, Digikey=XC3050CT-ND, Farnell=3649710, Mouser=520-250-10-36B-CTNT, Unit Price=0.14
R1 R3 R9: library part "R-Array Single Quad E24 - 330", "Isolated Resistor Array", Component Value="330 (4x, 50V, 62.5mW, 5%)", JLC-Parts=C12018, Component Description="Isolated Resistor Array", ComponentLink1Description=Datasheet, ComponentLink1URL=https://datasheet.lcsc.com/lcsc/1810170717_UNI-ROYAL-Uniroyal-Elec-4D03WGJ0331T5E_C12018.pdf, Digikey=Y4331CT-ND, Farnell=2060160, Mouser=667-EXB-V8V331JV, Unit Price=0.01
R2 R7 R8 R27 R28: library part "R-Array Single Quad E24 - 10k", "Isolated Resistor Array", Component Value="10k (4x, 50V, 62.5mW, 5%)", JLC-Parts=C29718, Component Description="Isolated Resistor Array", ComponentLink1Description=Datasheet, ComponentLink1URL=https://datasheet.lcsc.com/lcsc/1810191515_UNI-ROYAL-Uniroyal-Elec-4D03WGJ0103T5E_C29718.pdf, Digikey=Y4103CT-ND, Farnell=2060167, Mouser=667-EXB-V8V103JV, Unit Price=0.01
R4 R10: library part "E96 - 1M", "SMD Chip Resistor E24", Component Value="1M (75V, 100mW, 1%)", JLC-Parts=C22935, Component Description="Chip Resistor", ComponentLink1Description=Datasheet, ComponentLink1URL=https://datasheet.lcsc.com/lcsc/1810200710_UNI-ROYAL-Uniroyal-Elec-0603WAF4701T5E_C23162.pdf, Digikey=P1.00MHCT-ND, Farnell=2303325, Mouser=667-ERJ-3EKF1004V, Unit Price=0.01
R5: library part "E24 - 120", "SMD Chip Resistor E24", Component Value="120 (75V, 100mW, 1%)", JLC-Parts=C22787, Component Description="Chip Resistor", ComponentLink1Description=Datasheet, ComponentLink1URL=https://datasheet.lcsc.com/lcsc/1810200710_UNI-ROYAL-Uniroyal-Elec-0603WAF4701T5E_C23162.pdf, Digikey=P120HCT-ND, Farnell=2303067, Mouser=667-ERJ-3EKF1200V, Unit Price=0.01
R6: library part "E24 - 4.7k", "SMD Chip Resistor E24", Component Value="4.7k (75V, 100mW, 1%)", JLC-Parts=C23162, Component Description="Chip Resistor", ComponentLink1Description=Datasheet, ComponentLink1URL=https://datasheet.lcsc.com/lcsc/1810200710_UNI-ROYAL-Uniroyal-Elec-0603WAF4701T5E_C23162.pdf, Digikey=P4.70KHCT-ND, Farnell=2303181, Mouser=667-ERJ-3EKF4701V, Unit Price=0.01
R11: library part "E96 - 12.4k", "SMD Chip Resistor E96", Component Value="12.4k (75V, 100mW, 1%)", JLC-Parts=C194071, Component Description="Chip Resistor", ComponentLink1Description=Datasheet, ComponentLink1URL=https://datasheet.lcsc.com/lcsc/1810170234_PANASONIC-ERJ3EKF1242V_C194071.pdf, Digikey=P12.4KHCT-ND, Farnell=2059414, Mouser=667-ERJ-3EKF1242V, Unit Price=0.01
R12 R13 R15 R16 R17 R21 R22 R23: library part "E96 - 49.9", "SMD Chip Resistor E96", Component Value="49.9 (75V, 100mW, 1%)", JLC-Parts=C23184, Component Description="Chip Resistor", ComponentLink1Description=Datasheet, ComponentLink1URL=https://datasheet.lcsc.com/lcsc/1810200710_UNI-ROYAL-Uniroyal-Elec-0603WAF4701T5E_C23162.pdf, Digikey=P49.9HCT-ND, Farnell=2059274, Mouser=667-ERJ-3EKF49R9V, Unit Price=0.01
R14: library part "E24 - 10", "SMD Chip Resistor E24", Component Value="10 (75V, 100mW, 1%)", JLC-Parts=C22859, Component Description="Chip Resistor", ComponentLink1Description=Datasheet, ComponentLink1URL=https://datasheet.lcsc.com/lcsc/1810200710_UNI-ROYAL-Uniroyal-Elec-0603WAF4701T5E_C23162.pdf, Digikey=P10.0HCT-ND, Farnell=2302958, Mouser=667-ERJ-3EKF10R0V, Unit Price=0.01
R18 R25: library part "E24 - 75", "SMD Chip Resistor E24", Component Value="75 (75V, 100mW, 1%)", JLC-Parts=C4275, Component Description="Chip Resistor", ComponentLink1Description=Datasheet, ComponentLink1URL=https://datasheet.lcsc.com/lcsc/1810200710_UNI-ROYAL-Uniroyal-Elec-0603WAF4701T5E_C23162.pdf, Digikey=P75.0HCT-ND, Farnell=2059282, Mouser=667-ERJ-3EKF75R0V, Unit Price=0.01
R19 R26: library part "E24 - 150", "SMD Chip Resistor E24", Component Value="150 (75V, 100mW, 1%)", JLC-Parts=C22808, Component Description="Chip Resistor", ComponentLink1Description=Datasheet, ComponentLink1URL=https://datasheet.lcsc.com/lcsc/1810200710_UNI-ROYAL-Uniroyal-Elec-0603WAF4701T5E_C23162.pdf, Digikey=P150HCT-ND, Farnell=2303076, Mouser=667-ERJ-3EKF1500V, Unit Price=0.01
R20 R24: library part "E24 - 82", "SMD Chip Resistor E24", Component Value="82 (75V, 100mW, 1%)", JLC-Parts=C23255, Component Description="Chip Resistor", ComponentLink1Description=Datasheet, ComponentLink1URL=https://datasheet.lcsc.com/lcsc/1810200710_UNI-ROYAL-Uniroyal-Elec-0603WAF4701T5E_C23162.pdf, Digikey=P82.0HCT-ND, Farnell=2303052, Mouser=667-ERJ-3EKF82R0V, Unit Price=0.01
S1 S2: library part "Button 3mmx2.5mm", "Button SPST", Component Value=TS-1187A-B-A-B, JLC-Parts=C318884, Component Description="Tactile Switch", ComponentLink1Description=Datasheet, ComponentLink1URL=https://datasheet.lcsc.com/lcsc/2002271431_XKB-Connectivity-TS-1187A-B-A-B_C318884.pdf, Digikey=CKN12221-1-ND, Farnell=3780596, Mouser=611-PTS526SK15SMR2L, Unit Price=0.02
T1: "LAN 10/100 Base-T Pulse Transformer 1CT:1CT Transmitter, 1CT:1CT Receiver Surface Mount", JLC-Parts=C172799, Component Description="RJ45 Transformer", Component Value=HR601680, ComponentLink1Description=Datasheet, ComponentLink1URL=https://datasheet.lcsc.com/lcsc/1810041709_HANRUN-Zhongshan-HanRun-Elec-HR601680_C172799.pdf, Digikey=SM13072APELCT-ND, Farnell=2673883, Mouser=652-SM13072APEL, Unit Price=0.57
TP1 TP2 TP3 TP4 TP5 TP6 TP7 TP8 TP9 TP10 TP11 TP12 TP13 TP14 TP15 TP16 TP17 TP18: "Testpunkt", Component Value="Ø 0.8mm", Component Description=Testpoint, Unit Price=0.00
U1: "WiFi 802.11b/g/n Transceiver Module 2.4GHz Antenna, I-PEX Surface Mount", JLC-Parts=C967026, Component Description="Xtensa single-core 32-bit LX7 MCU", Component Value=ESP32-S2-WROOM, ComponentLink1Description=Datasheet, ComponentLink1URL=https://www.espressif.com/sites/default/files/documentation/esp32-s2-wroom_esp32-s2-wroom-i_datasheet_en.pdf, Digikey=1965-ESP32-S2-WROOMTR-ND, Mouser=356-ESP32S2WRMI320UH, Unit Price=2.54
U2: "Isolated Module DC DC Converter 1 Output 5V - - - 200mA 2.97V - 3.63V Input", Component Description="Isolated DC-DC-Converter", Component Value=R1SX-3.305/H-R, ComponentLink1Description=Datasheet, ComponentLink1URL=https://recom-power.com/pdf/Econoline/R1SX.pdf, Digikey=945-3197-1-ND, Mouser=919-R1SX-3.305/H-R, Unit Price=3.94
U3: "General Purpose Digital Isolator 2500Vrms 2 Channel 5Mbps 25kV/µs CMTI 8-SOIC (0.154\", 3.90mm Width)", JLC-Parts=C138522, Component Description="Unidirectional Digital Isolator", Component Value=ISO7221BDR, ComponentLink1Description=Datasheet, ComponentLink1URL=https://www.ti.com/lit/ds/symlink/iso7220a.pdf?HQS=dis-dk-null-digikeymode-dsf-pf-null-wwe&ts=1633476815997, Digikey=296-38965-2-ND, Mouser=595-ISO7221BDR, Unit Price=2.94
U4: "High-Speed CAN Transceiver", JLC-Parts=C49558, Component Description="CAN Transceiver 1Mbps", Component Value=MCP2551T-I/SN, ComponentLink1Description=Datasheet, ComponentLink1URL=https://ww1.microchip.com/downloads/en/DeviceDoc/20001667G.pdf, Digikey=MCP2551T-I/SNTR-ND, Farnell=2763381, Mouser=579-MCP2551T-I/SN, Unit Price=1.04
U5: "Ethernet Controller 10/100 Base-T/TX PHY SPI Interface 48-LQFP (7x7)", JLC-Parts=C32843, Component Description="Ethernet Controller", Component Value=W5500, ComponentLink1Description=Datasheet, ComponentLink1URL=http://wizwiki.net/wiki/lib/exe/fetch.php?media=products:w5500:w5500_ds_v108e.pdf, Digikey=1278-W5500TR-ND, Mouser=950-W5500, Unit Price=3.76
U6: "Non-Isolated PoL Module DC DC Converter 1 Output 3.3V    2A 4V - 36V Input", Component Value=RPMB3.3-3.0, Component Description="DC-DC Stepdown Converter", ComponentLink1Description=Datasheet, ComponentLink1URL=https://recom-power.com/pdf/Innoline/RPMB-2.0.pdf, Digikey=945-RPMB3.3-3.0CT-ND, Farnell=3551809, Mouser=919-RPMB3.3-3.0, Unit Price=7.43
U7: "Accelerometer X, Y, Z Axis ±2g, 4g, 8g, 16g 0.5Hz ~ 672Hz 12-LGA (2x2)", JLC-Parts=C110926, Component Description="High-Performance 3-Xxis Accelerometer", Component Value=LIS2DH12TR, ComponentLink1Description=Datasheet, ComponentLink1URL=https://www.st.com/content/ccc/resource/technical/document/datasheet/12/c0/5c/36/b9/58/46/f2/DM00091513.pdf/files/DM00091513.pdf/jcr:content/translations/en.DM00091513.pdf, Digikey=497-14851-2-ND, Mouser=511-LIS2DH12TR, Unit Price=0.87
X1: library part T4145015021, "M12 Receptacle Connector PCB Assembly", Component Description="M12 Receptacle Connector PCB Assembly", Component Value=T4145015021-001, ComponentLink1Description=Datasheet, ComponentLink1URL=https://www.te.com/commerce/DocumentDelivery/DDEController?Action=srchrtrv&DocNm=T41450150X1001&DocType=Customer+Drawing&DocLang=English, Digikey=A126521-ND, Unit Price=6.97
X2: library part "X-Stiftleiste (3-Fach)", Component Value=436500315, JLC-Parts=C293546, Component Description="Pin Header Through Hole Wire To Board", ComponentLink1Description=Datasheet, ComponentLink1URL=https://datasheet.lcsc.com/lcsc/1912111437_MOLEX-436500315_C293546.pdf, Digikey=WM1918-ND, Farnell=1654451, Mouser=538-43650-0315, Unit Price=0.38
X3: library part X-USB-Buchse, "Typ-B", Component Value=MUSBD111M5, Component Description=USB-Buchse, ComponentLink1Description=Datasheet, ComponentLink1URL=https://www.amphenol-icc.com/media/wysiwyg/files/drawing/musbd111xx.pdf, Digikey=MUSBD111M5-ND, Farnell=3728524, Mouser=523-MUSBD111M5, Unit Price=11.17
X4: "RJ45 etherCON IP65", Component Description="RJ45 etherCON IP65", Component Value=NE8FDH-C5E-TOP, ComponentLink1Description=Datasheet, ComponentLink1URL=https://www.mouser.ch/datasheet/2/289/ne8fdh_c5e_top-1853139.pdf, Farnell=3014323, Mouser=568-NE8FDH-C5E-TOP, Unit Price=12.83
X5: library part "X-JTAG-Header (ARM-Cortex)", Component Value="SHF-105-01-L-D-SM (2x5)", Component Description="JTAG-Header (ARM-Cortex)", ComponentLink1Description=Datasheet, ComponentLink1URL=https://datasheet.lcsc.com/lcsc/1810170717_UNI-ROYAL-Uniroyal-Elec-4D03WGJ0331T5E_C12018.pdf, Digikey=SAM10710-ND, Farnell=1885915, Mouser=200-SHF10501LDSM, Unit Price=2.89

## Free pads (board coordinates)
  round 45.35 hole 45.35 unplated paste+45.35 mask+5.83: NC(-2519.68,1496.06) NC(2519.68,-1496.06) NC(2519.68,1496.06)
  round 275.59 hole 125.98: NC(-2391.73,-1141.73) NC(-2391.73,1141.73) NC(0,1141.73) NC(2391.73,-1141.73) NC(2391.73,1141.73)

## Via types
v1: diameter 21.65, hole 11.81, Top Layer to Bottom Layer, tented both sides, 902 vias
v2: diameter 24, hole 11.81, Top Layer to Bottom Layer, tented both sides, 80 vias
v3: diameter 24.41, hole 11.81, Top Layer to Bottom Layer, tented both sides, 3 vias

## Nets (pads, with @x,y where several pads share a name; then routed paths per layer and width w, separated by ;. In a path a pad name is that pad's centre, name@x,y a point inside that pad or via, vN(x,y) a via of type N, cw(c..) or ccw(c..) an arc to the next point about the centre after c; other vN are vias at no path point)
3V3: C1.2 C2.2 C8.2 C10.2 C12.2 C13.2 C14.2 C15.2 C16.2 C17.2 C32.2 C33.2 C34.2 C35.2 L2.1 P1.4 P2.4 P3.A P4.A R2.1 R2.4 R7.1 R7.2 R7.3 R8.1 R8.2 R8.3 R12.2 R13.2 R14.2 R28.1 R28.2 R28.3 TP17.1 U1.2 U3.8 U5.4 U5.8 U5.11 U5.15 U5.17 U5.21 U5.28 U6.A5 U6.B5 U6.C5 U7.9 U7.10 X5.1 | length 2944.6
  Top Layer w8: v1(-1106.3,-374.02) -1093.9,-361.61 U5.4@-1093.9,-312.91 ; v1(-1027.56,-366.14) -1027.56,-364.87 -1015.16,-352.47 U5.8@-1015.16,-312.91 ; U5.11@-956.1,-312.91 -956.1,-357.32 -934.57,-378.86 C17.2@-934.57,-383.86 -932.6,-385.83 v1(-897.64,-385.83) ; v1(-939.05,-104.25) U5.21@-885.24,-104.25 -838.07,-104.25 C15.2@-788.62,-54.8 ; U5.15@-885.24,-222.36 -883.87,-221 -848,-221 -813.57,-255.43 C14.2@-787.4,-255.43 -786.93,-255.91 v1(-744.09,-255.91) ; U7.9@1122.05,9.84 1141.73,9.84 1151.57,19.69 1151.57,29.53 ; U7.10@1122.05,29.53 1151.57,29.53 ; v1(1318.9,-78.74) 1318.9,-45.28 ; R28.3@1360.24,-45.28 1318.9,-45.28 ; R28.2@1360.24,-13.78 1318.9,-13.78 ; R28.1@1360.24,20.67 1359.25,19.68 1342.52,19.68 1332.21,30 1316.46,30 ; 1151.57,29.53 1229.84,29.53 C33.2@1230.32,30 C34.2@1279.53,30 1316.46,30 ; 1316.46,30 1318.9,27.56 1318.9,-13.78 ; 1318.9,-45.28 1318.9,-13.78
  Top Layer w10: R7.3@-1464.57,-15.75 -1488.19,-15.75 -1494.09,-9.84 v1(-1494.09,15.75) ; R7.2@-1464.57,15.75 v1(-1494.09,15.75) ; R7.1@-1464.57,50.2 -1489.17,50.2 -1494.09,45.27 v1(-1494.09,15.75) ; R8.3@-1462.6,-238.19 -1486.22,-238.19 -1492.13,-232.28 v1(-1492.13,-206.69) ; R8.2@-1462.6,-206.69 v1(-1492.13,-206.69) ; R8.1@-1462.6,-172.24 -1487.21,-172.24 -1492.13,-177.17 v1(-1492.13,-206.69) ; U3.8@-1273.43,631.89 -1273.43,600.39 -1253.74,580.71 v1(-1240.16,580.71) -1220.47,600.39 -1220.47,629.45 C10.2@-1220.94,629.92 ; v1(-1216.54,-555.12) -1215.55,-556.1 -1181.57,-556.1 ; R12.2@-1181.57,-679.13 -1181.1,-679.6 v1(-1181.1,-720.47) ; R14.2@-1181.57,-580.71 -1181.57,-556.1 ; R13.2@-1181.57,-531.5 -1181.57,-556.1 ; v1(-1157.48,-1318.9) P4.A@-1157.48,-1282.48 ; U5.28@-995.47,5.99 -995.47,57.68 v1(-980.02,73.13) -964.57,88.58 -959.09,88.58 -934.57,113.11 C16.2@-934.57,118.11 ; v1(-960.63,-1318.9) P3.A@-960.63,-1282.48 ; C16.2@-943.07,105.81 -935.94,112.94 C16.2@-935.94,122.13 ; U5.17@-885.24,-182.99 -844.41,-182.99 v1(-833.66,-172.24) -822.91,-161.49 -797.12,-161.49 C12.2@-790.02,-154.39 ; C12.2@-787.4,-157.01 C13.2@-738.19,-157.01 ; U6.C5@0,-180.31 U6.B5@90.16,-180.31 U6.A5@180.32,-180.31 324.8,-180.31 ; TP17.1@787.4,19.68 v1(828.74,19.68) ; v1(1484.54,1354.37) P2.4@1521.65,1354.33 P2.4@1521.65,1354.33 P2.4@1521.65,1356.3 ; v1(1484.57,1108.27) P1.4@1521.65,1108.27 P1.4@1521.65,1110.24 ; R2.4@2489.17,677.17 2489.17,704.2 2500.53,715.55 2578.21,715.55 2589.57,704.2 R2.1@2589.57,677.17
  Top Layer w20: L2.1@-698.19,1466.54 -688.35,1456.69 C8.2@-650.08,1456.69 v1(-650.08,1495.59) ; v1(2300,-814.17) X5.1@2300,-728.35 ; C1.2@2507.67,451.46 2508.49,452.28 C2.2@2568.9,452.28 ; U1.2@2570.87,344.49 C2.2@2570.87,452.28
  other v1: 0,-246.06 39.37,-246.06 78.74,-246.06 118.11,-246.06 157.48,-246.06 196.85,-246.06 236.22,-246.06 275.59,-246.06 314.96,-246.06 236.22,-206.69 275.59,-206.69 314.96,-206.69 2570.87,389.76 2539.37,715.55
ACC_C\S\: R28.8 TP1.1 U1.15 U7.2 | length 1733.2
  Top Layer w8: U7.2@1062.99,9.84 1045.28,9.84 1039.37,15.75 1039.37,149.61 1268.7,378.94 v1(1328.74,378.94) ; v1(1328.74,482.28) TP1.1@1505.91,482.28 1545.28,482.28 1614.17,413.39 1781.5,413.39 1803.15,391.73 U1.15@1803.15,344.49 ; R28.8@1415.35,20.67 1416.34,19.68 v1(1507.87,19.68)
  Bottom Layer w8: v1(1328.74,482.28) 1328.74,198.82 v1(1507.87,19.68)
ACC_INT1: R28.7 TP5.1 U1.20 U7.12 | length 1419.7
  Top Layer w8: U7.12@1082.68,29.53 1082.68,68.9 1220.47,206.69 TP5.1@1505.91,206.69 1624.02,88.58 U1.20@1714.57,88.58 ; R28.7@1415.35,-13.78 1482.28,-13.78 1492.13,-23.62 1492.13,-94.49 1468.5,-118.11 v1(1440.94,-145.67)
  Bottom Layer w8: v1(1131.89,118.11) 1177.17,118.11 1410.77,-115.5 v1(1440.94,-145.67)
ACC_INT2: R28.6 TP6.1 U1.21 U7.11 | length 1214.1
  Top Layer w8: U7.11@1102.36,29.53 1102.36,49.21 1190.94,137.8 TP6.1@1505.91,137.8 1614.17,29.53 ; R28.6@1415.35,-45.28 1438.98,-45.28 1452.76,-59.06 1452.76,-90.55 1409.45,-133.86 1409.45,-169.29 1417.32,-177.17 1468.5,-177.17 1546.46,-99.21 1546.46,-38.18 1614.17,29.53 ; U1.21@1714.57,29.53 1614.17,29.53
ACC_MISO: TP4.1 U1.18 U7.3 | length 933.8
  Top Layer w8: v1(1003.94,29.53) 1003.94,0 1013.78,-9.84 U7.3@1062.99,-9.84 ; v1(1092.52,118.11) 1250,275.59 1555.12,275.59 1624.02,206.69 U1.18@1714.57,206.69
  Bottom Layer w8: v1(1003.94,29.53) v1(1092.52,118.11)
ACC_MOSI: TP2.1 U1.16 U7.4 | length 1153.6
  Top Layer w8: U7.4@1062.99,-29.53 1007.55,-29.53 964.57,13.45 964.57,122.05 1059.06,216.54 1187.01,344.49 1255.9,413.39 TP2.1@1505.91,413.39 1545.28,413.39 1614.17,344.49 U1.16@1744.09,344.49
ACC_SCLK: TP3.1 U1.17 U7.1 | length 873.5
  Top Layer w8: U7.1@1062.99,29.53 1062.99,129.92 1277.56,344.49 TP3.1@1505.91,344.49 1545.28,344.49 1624.02,265.75 U1.17@1714.57,265.75